# Altium PCB pcb.PcbDoc
Units mil, origin at the board's own origin, x right, y up, seen from the top; angles counter-clockwise.
Board outline 10079.12 x 10365.92 mil, 2 copper layers (Top Layer, Bottom Layer), stack 62.205 mil thick; 131 components, 60 nets, 394 pads, 59 vias.
Unrouted connection lines stored in the file: 8.
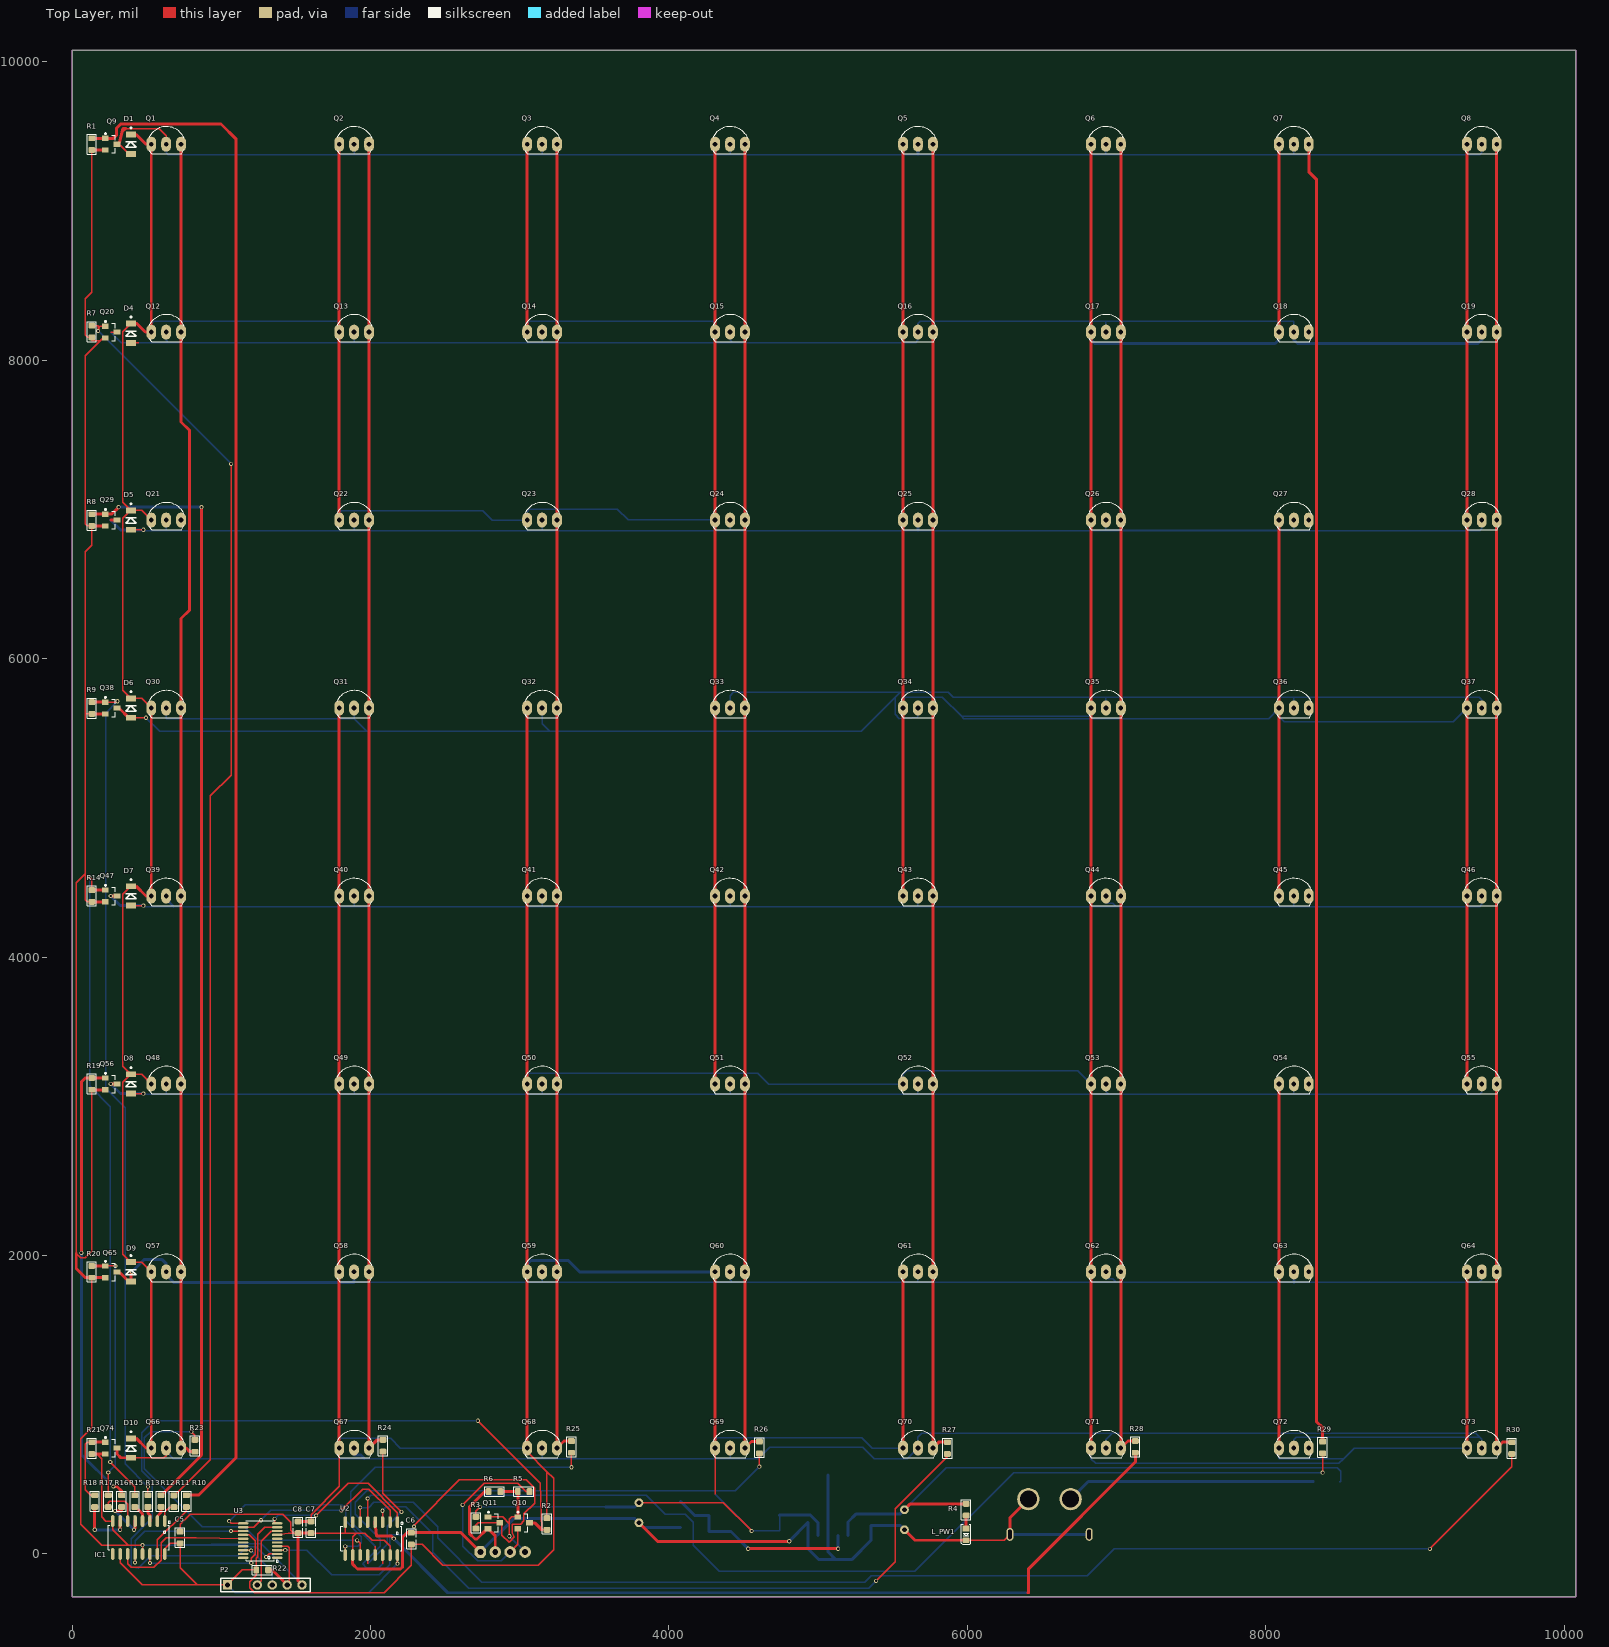
[diagram p0: Top Layer view]
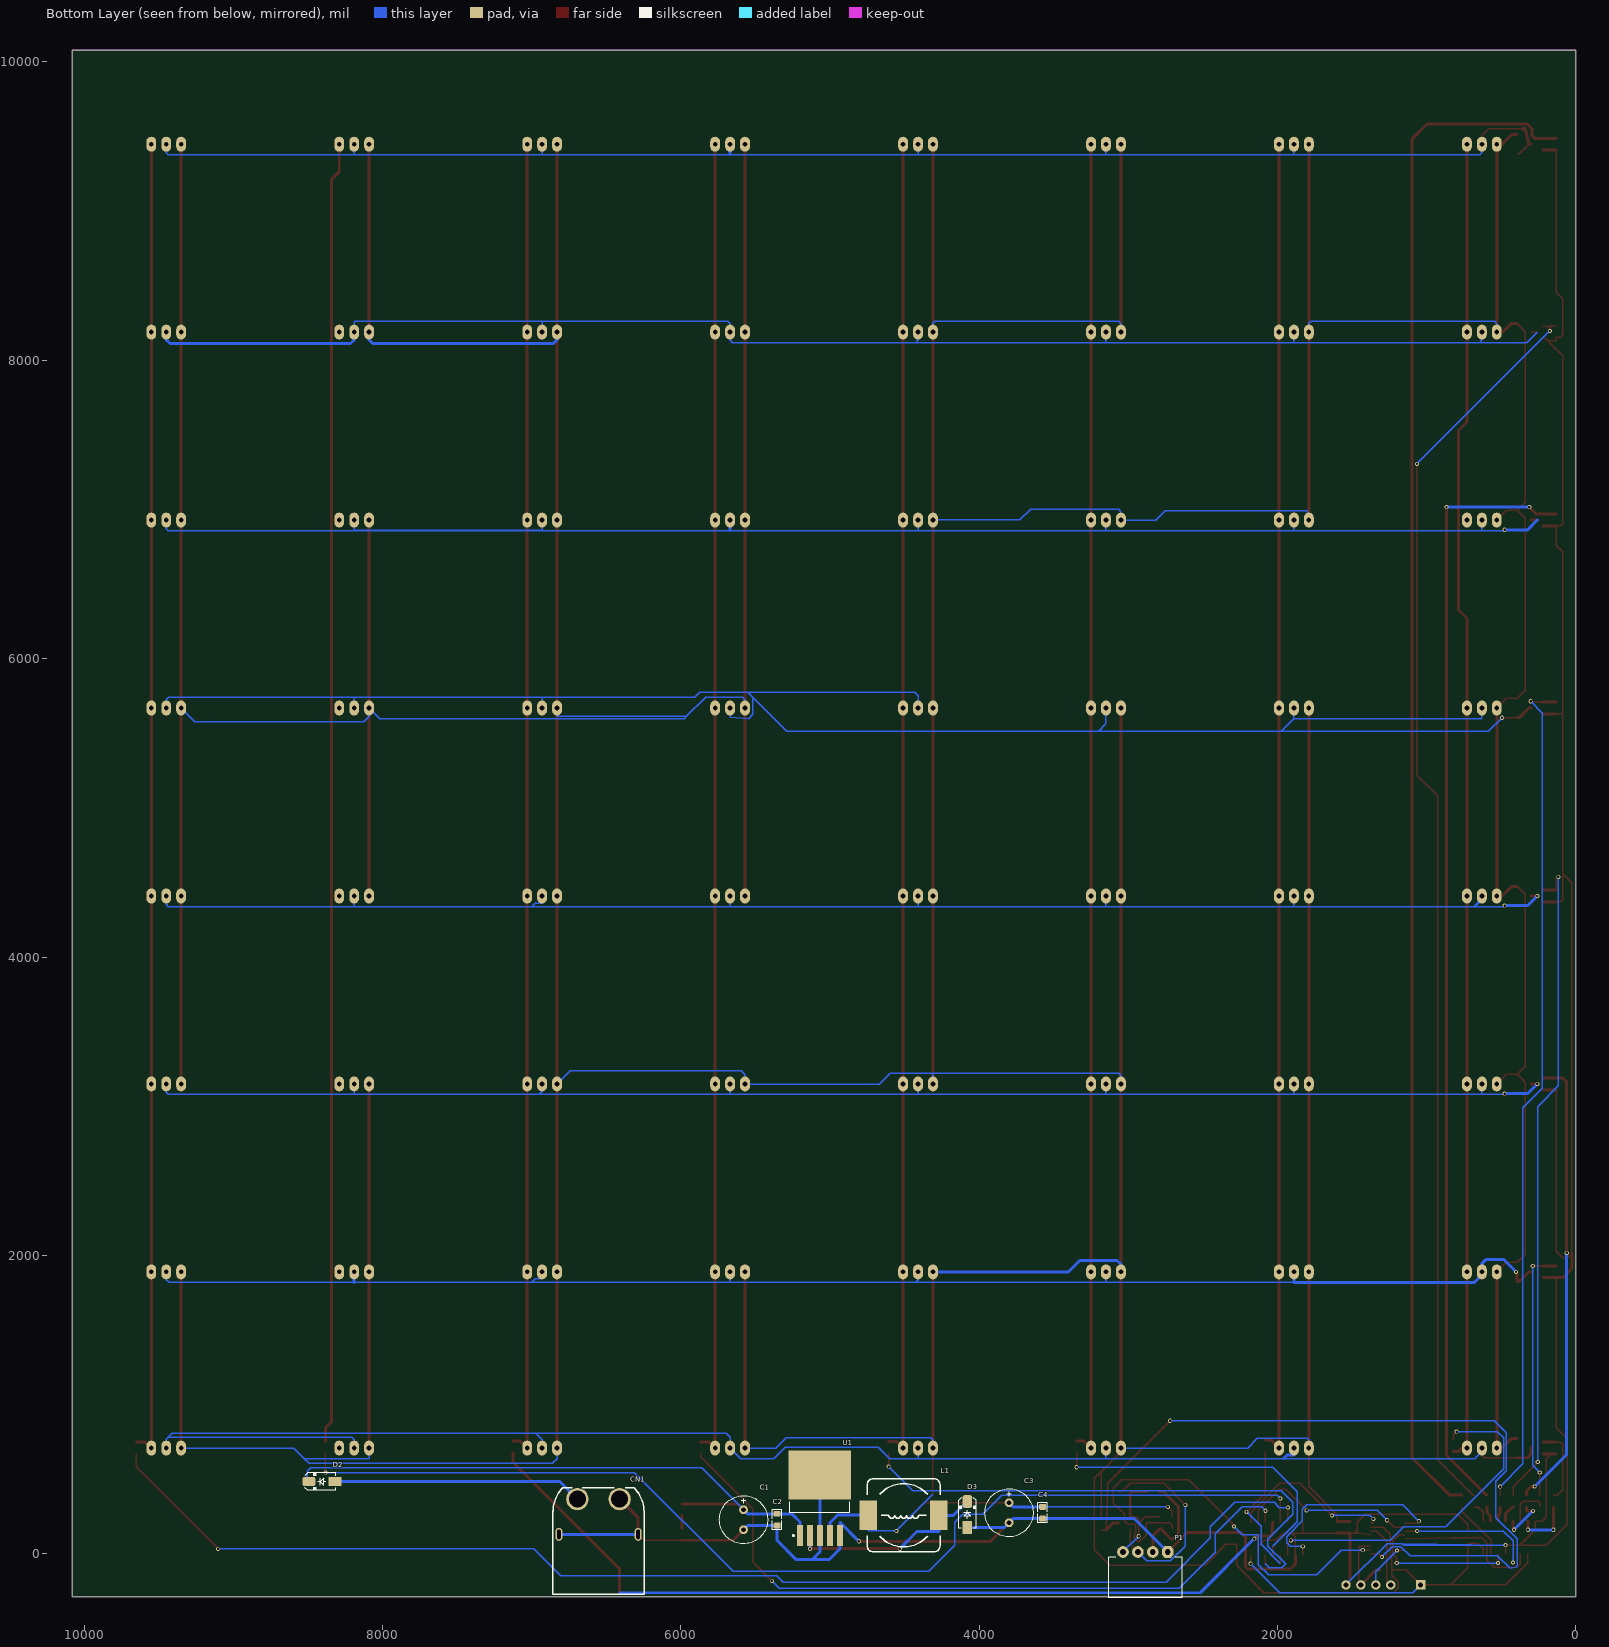
[diagram p1: Bottom Layer view, seen from below]
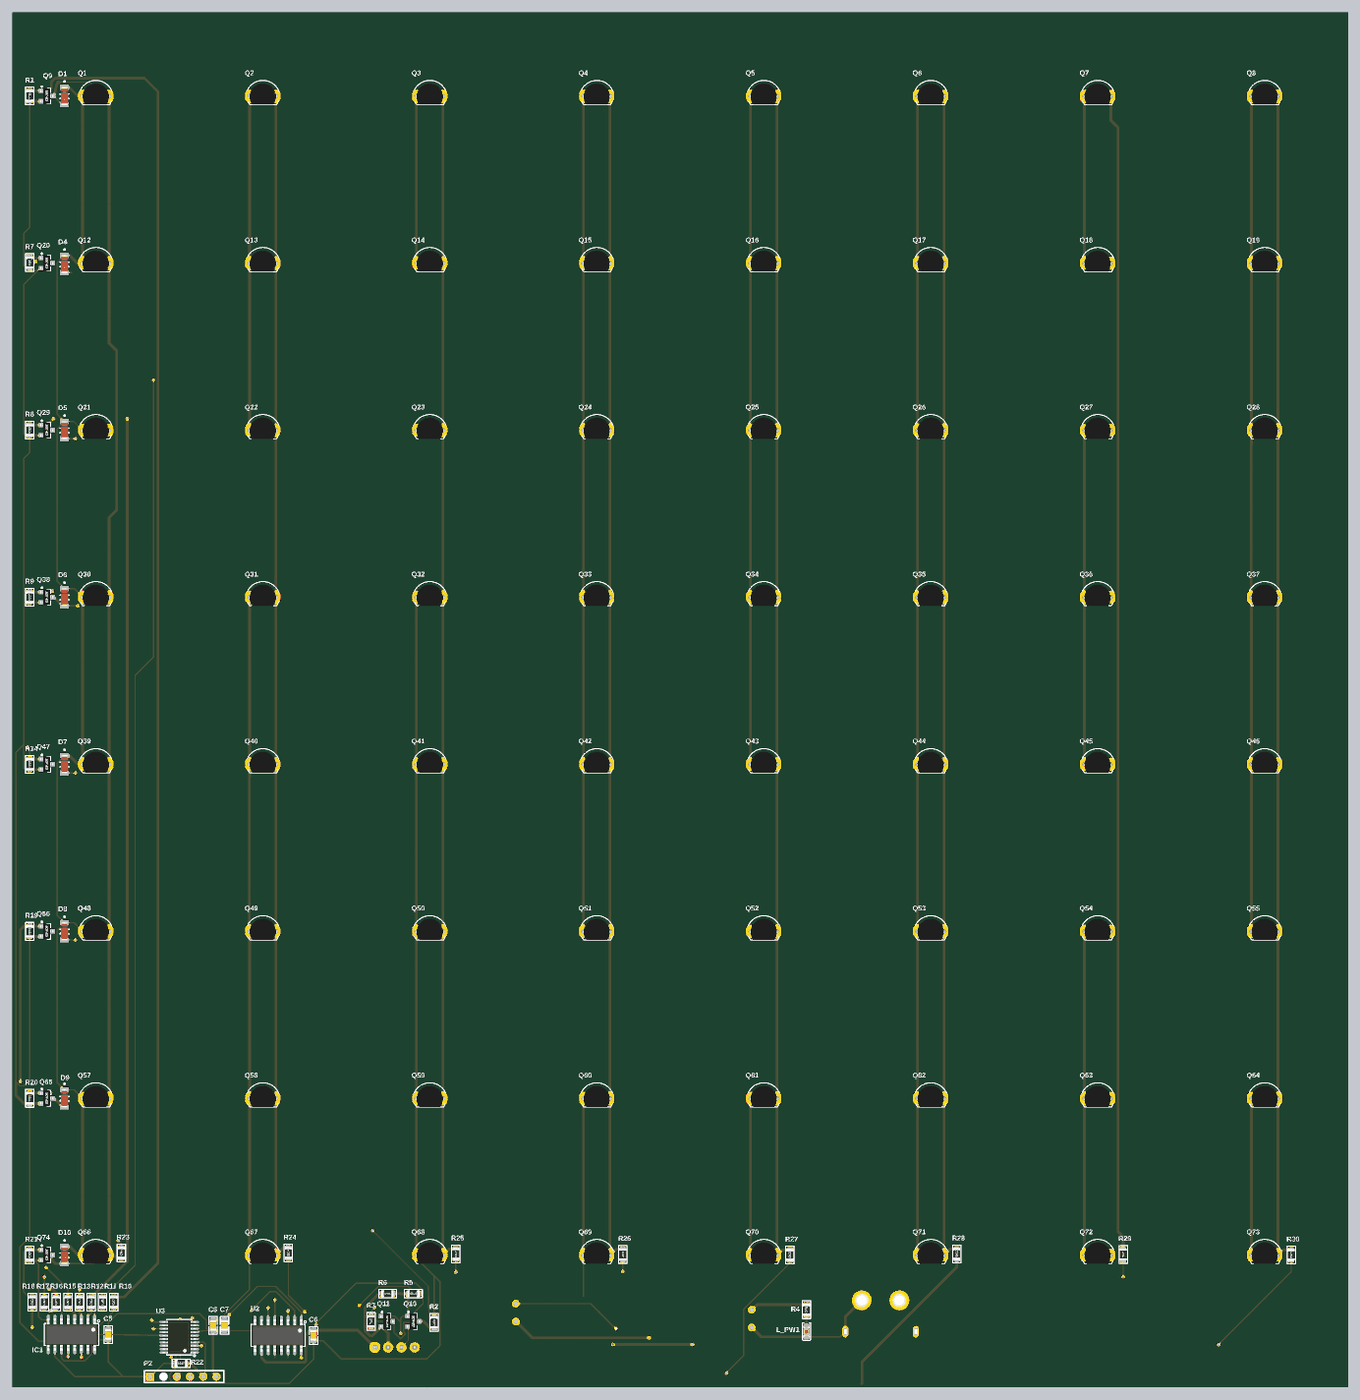
[diagram p2: 3D render of the assembled board from above, using the file's embedded part models]
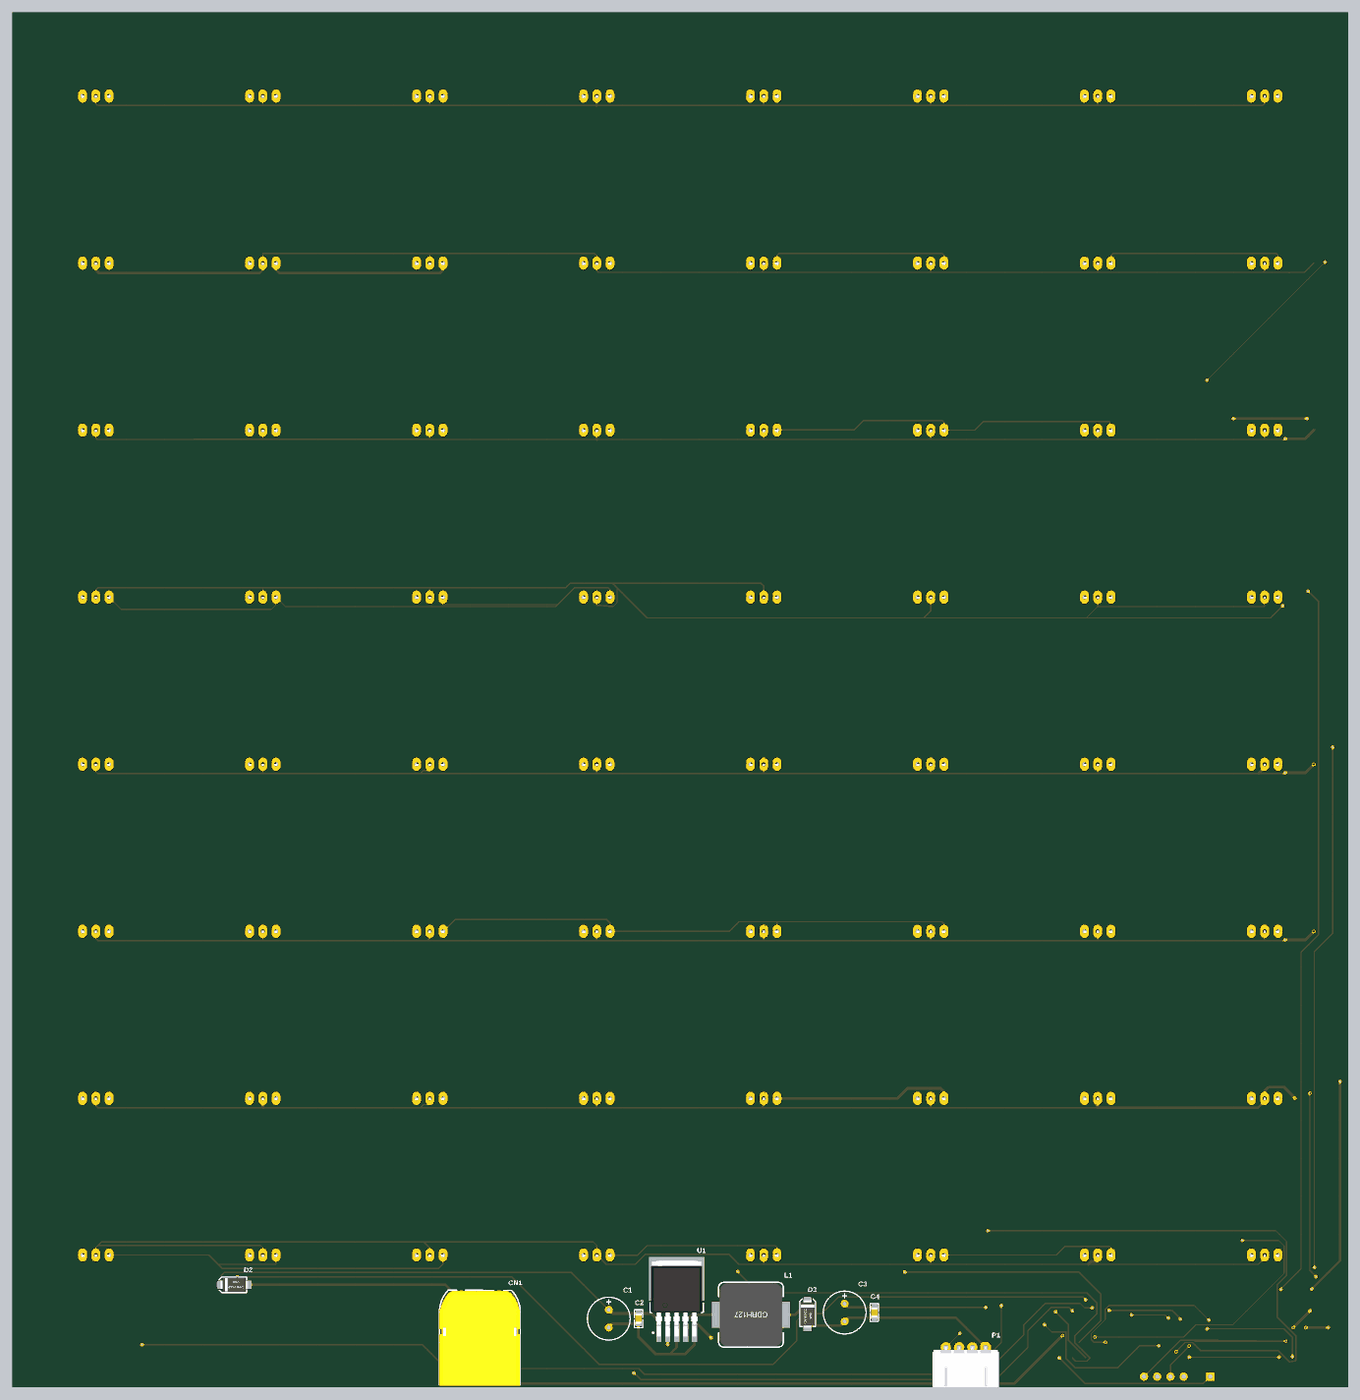
[diagram p3: 3D render of the assembled board from below, using the file's embedded part models]

## Layer stack, top to bottom
Top Solder: solder mask 0.3937, Solder Resist, Dk 3.5
Top Layer: signal copper 1.378
Dielectric 1: dielectric 59.4488, FR-4, Dk 4.8
Bottom Layer: signal copper 1.378
Bottom Solder: solder mask 0.3937, Solder Resist, Dk 3.5

## Board outline
0,-287.18 0,10078.74 10079.11,10078.74 10079.12,-287.18

## Design rules (kind name [scope] priority, off if disabled: settings)
Clearance [All] p1: gap=8 ignorepadtopadclearanceinfootprint=TRUE
Height [All] p1: minheight=0 maxheight=1574.8 prefheight=500
HoleSize [All] p1: absolutevalues=TRUE maxlimit=236.22 minlimit=3.94 maxpercent=80.000 minpercent=20.000
MinimumSolderMaskSliver [All] p1: minsoldermaskwidth=1
PlaneConnect [All] p1: planeconnectstyle=Relief reliefexpansion=20 reliefentries=4 reliefconductorwidth=35 reliefairgap=10
PolygonConnect [All] p1: thpad.connectstyle=Relief thpad.reliefconductorwidth=25 thpad.reliefentries=4 thpad.polygonreliefangle="90 Angle" thpad.airgapwidth=30 smdpad.connectstyle=Relief smdpad.reliefconductorwidth=25 smdpad.reliefentries=4 smdpad.polygonreliefangle="90 Angle" smdpad.airgapwidth=15 via.connectstyle=Relief via.reliefconductorwidth=25 via.reliefentries=4 via.polygonreliefangle="90 Angle" via.airgapwidth=15
RoutingVias [All] p1: holewidth=15.75 width=27.56 viastyle="Through Hole" minholewidth=11.81 minwidth=23.62 maxholewidth=39.37 maxwidth=98.43
SilkToSilkClearance [All] p1: silktosilkclearance=1
SilkToSolderMaskClearance [IsPad] p1: minsilkscreentomaskgap=0 clearancetoexposedcopper=TRUE
SolderMaskExpansion [All] p1: expansion=4 istentingtop=FALSE
SupplyNets "Schematic Supply Nets_4" [InNet('+5')] p1: voltage=0.000
SupplyNets "Schematic Supply Nets_3" [InNet('GND')] p2: voltage=0.000
SupplyNets "Schematic Supply Nets_2" [InNet('+24')] p3: voltage=0.000
SupplyNets "Schematic Supply Nets_1" [InNet('+3V3')] p4: voltage=0.000
SupplyNets "Schematic Supply Nets" [InNet('+24IN')] p5: voltage=0.000
UnRoutedNet [All] p1: checkbadconnections=TRUE
Width [All] p1: maxlimit=100 minlimit=10 preferedwidth=10
23 further rules are at their usual default settings.

## Components (designator, comment, footprint, x,y, rotation, side; value= is the part's Value field where it differs from the comment)
C1 "470uF/35V" C8X12mm 5578.82,228.56 r270 bottom
C2 "104" C_0805_SMD 5354.33,228.57 r90 bottom
C3 "220uF/35V" C8X12mm 3799.21,274.76 r270 bottom
C4 "104" C_0805_SMD 3574.8,274.76 r90 bottom
C5 "104" C_0805_SMD 723.75,109.07 r270 top
C6 "104" C_0805_SMD 2273.09,101.88 r270 top
C7 "10uF/25V" C_0805_SMD 1601.18,177.63 r270 top
C8 "104" C_0805_SMD 1514.57,177.63 r270 top
CN1 "XT60PW-M" CONN-TH_XT60PW-M 6551.18,86.83 r90 bottom
D1 "LL4148" SOD80C_MFG 394.13,9448.82 r270 top
D2 "SS34" D_SMA 8405.51,484.25 r0 bottom
D3 "SS34" D_SMA 4078.74,264 r90 bottom
D4 "LL4148" SOD80C_MFG 394.13,8181.1 r270 top
D5 "LL4148" SOD80C_MFG 394.13,6929.13 r270 top
D6 "LL4148" SOD80C_MFG 394.13,5669.29 r270 top
D7 "LL4148" SOD80C_MFG 394.13,4409.45 r270 top
D8 "LL4148" SOD80C_MFG 394.13,3149.61 r270 top
D9 "LL4148" SOD80C_MFG 394.13,1889.76 r270 top
D10 "LL4148" SOD80C_MFG 394.13,708.66 r270 top
IC1 "74HC595" SO_16 446.3,109.07 r270 top
L1 "68uH" CDRH127 4505.8,258.09 r0 bottom
L_PW1 "LED RED" "LED 0805 Red" 5991.81,130.14 r270 top
P1 "XH2.54 4P" XH2.54_4P_RA 2885.83,12.03 r0 bottom
P2 "Nuvoton" "Header Code Nuvoton 2.54 6P" 1290.89,-208.66 r0 top
Q1 "A3144" QTO-92 629.92,9448.82 r0 top locked
Q2 "A3144" QTO-92 1889.76,9448.82 r0 top locked
Q3 "A3144" QTO-92 3149.61,9448.82 r0 top locked
Q4 "A3144" QTO-92 4409.45,9448.82 r0 top locked
Q5 "A3144" QTO-92 5669.29,9448.82 r0 top locked
Q6 "A3144" QTO-92 6929.13,9448.82 r0 top locked
Q7 "A3144" QTO-92 8188.98,9448.82 r0 top locked
Q8 "A3144" QTO-92 9448.82,9448.82 r0 top locked
Q9 "S8050" "SOT23_N NXP" 260.28,9448.82 r0 top
Q10 "BSS138L" "SOT23_N NXP" 3026.27,207.83 r0 top
Q11 "BSS138L" "SOT23_N NXP" 2826.77,207.83 r0 top
Q12 "A3144" QTO-92 629.92,8188.98 r0 top locked
Q13 "A3144" QTO-92 1889.76,8188.98 r0 top locked
Q14 "A3144" QTO-92 3149.61,8188.98 r0 top locked
Q15 "A3144" QTO-92 4409.45,8188.98 r0 top locked
Q16 "A3144" QTO-92 5669.29,8188.98 r0 top locked
Q17 "A3144" QTO-92 6929.13,8188.98 r0 top locked
Q18 "A3144" QTO-92 8188.98,8188.98 r0 top locked
Q19 "A3144" QTO-92 9448.82,8188.98 r0 top locked
Q20 "S8050" "SOT23_N NXP" 260.28,8188.98 r0 top
Q21 "A3144" QTO-92 629.92,6929.13 r0 top locked
Q22 "A3144" QTO-92 1889.76,6929.13 r0 top locked
Q23 "A3144" QTO-92 3149.61,6929.13 r0 top locked
Q24 "A3144" QTO-92 4409.45,6929.13 r0 top locked
Q25 "A3144" QTO-92 5669.29,6929.13 r0 top locked
Q26 "A3144" QTO-92 6929.13,6929.13 r0 top locked
Q27 "A3144" QTO-92 8188.98,6929.13 r0 top locked
Q28 "A3144" QTO-92 9448.82,6929.13 r0 top locked
Q29 "S8050" "SOT23_N NXP" 260.28,6929.13 r0 top
Q30 "A3144" QTO-92 629.92,5669.29 r0 top locked
Q31 "A3144" QTO-92 1889.76,5669.29 r0 top locked
Q32 "A3144" QTO-92 3149.61,5669.29 r0 top locked
Q33 "A3144" QTO-92 4409.45,5669.29 r0 top locked
Q34 "A3144" QTO-92 5669.29,5669.29 r0 top locked
Q35 "A3144" QTO-92 6929.13,5669.29 r0 top locked
Q36 "A3144" QTO-92 8188.98,5669.29 r0 top locked
Q37 "A3144" QTO-92 9448.82,5669.29 r0 top locked
Q38 "S8050" "SOT23_N NXP" 260.28,5669.29 r0 top
Q39 "A3144" QTO-92 629.92,4409.45 r0 top locked
Q40 "A3144" QTO-92 1889.76,4409.45 r0 top locked
Q41 "A3144" QTO-92 3149.61,4409.45 r0 top locked
Q42 "A3144" QTO-92 4409.45,4409.45 r0 top locked
Q43 "A3144" QTO-92 5669.29,4409.45 r0 top locked
Q44 "A3144" QTO-92 6929.13,4409.45 r0 top locked
Q45 "A3144" QTO-92 8188.98,4409.45 r0 top locked
Q46 "A3144" QTO-92 9448.82,4409.45 r0 top locked
Q47 "S8050" "SOT23_N NXP" 260.28,4409.45 r0 top
Q48 "A3144" QTO-92 629.92,3149.61 r0 top locked
Q49 "A3144" QTO-92 1889.76,3149.61 r0 top locked
Q50 "A3144" QTO-92 3149.61,3149.61 r0 top locked
Q51 "A3144" QTO-92 4409.45,3149.61 r0 top locked
Q52 "A3144" QTO-92 5669.29,3149.61 r0 top locked
Q53 "A3144" QTO-92 6929.13,3149.61 r0 top locked
Q54 "A3144" QTO-92 8188.98,3149.61 r0 top locked
Q55 "A3144" QTO-92 9448.82,3149.61 r0 top locked
Q56 "S8050" "SOT23_N NXP" 260.28,3149.61 r0 top
Q57 "A3144" QTO-92 629.92,1889.76 r0 top locked
Q58 "A3144" QTO-92 1889.76,1889.76 r0 top locked
Q59 "A3144" QTO-92 3149.61,1889.76 r0 top locked
Q60 "A3144" QTO-92 4409.45,1889.76 r0 top locked
Q61 "A3144" QTO-92 5669.29,1889.76 r0 top locked
Q62 "A3144" QTO-92 6929.13,1889.76 r0 top locked
Q63 "A3144" QTO-92 8188.98,1889.76 r0 top locked
Q64 "A3144" QTO-92 9448.82,1889.76 r0 top locked
Q65 "S8050" "SOT23_N NXP" 260.28,1889.76 r0 top
Q66 "A3144" QTO-92 629.92,708.66 r0 top locked
Q67 "A3144" QTO-92 1889.76,708.66 r0 top locked
Q68 "A3144" QTO-92 3149.61,708.66 r0 top locked
Q69 "A3144" QTO-92 4409.45,708.66 r0 top locked
Q70 "A3144" QTO-92 5669.29,708.66 r0 top locked
Q71 "A3144" QTO-92 6929.13,708.66 r0 top locked
Q72 "A3144" QTO-92 8188.98,708.66 r0 top locked
Q73 "A3144" QTO-92 9448.82,708.66 r0 top locked
Q74 "S8050" "SOT23_N NXP" 260.28,708.66 r0 top
R1 "1k" RES-SMD-0805 131.38,9448.82 r270 top
R2 "10K" RES-SMD-0805 3182.61,199.82 r90 top
R3 "10K" RES-SMD-0805 2706.3,207.83 r90 top
R4 "10K" RES-SMD-0805 5992.13,295.49 r270 top
R5 "10K" RES-SMD-0805 3026.27,416.49 r180 top
R6 "10K" RES-SMD-0805 2830.71,416.8 r0 top
R7 "1k" RES-SMD-0805 131.38,8192.91 r270 top
R8 "1k" RES-SMD-0805 131.38,6929.13 r270 top
R9 "1k" RES-SMD-0805 131.38,5669.29 r270 top
R10 "1k" RES-SMD-0805 765.2,353.16 r270 top
R11 "1k" RES-SMD-0805 681.34,352.11 r270 top
R12 "1k" RES-SMD-0805 595.91,353.16 r270 top
R13 "1k" RES-SMD-0805 507.72,353.16 r270 top
R14 "1k" RES-SMD-0805 131.38,4409.45 r270 top
R15 "1k" RES-SMD-0805 419.53,353.16 r270 top
R16 "1k" RES-SMD-0805 331.34,353.16 r270 top
R17 "1k" RES-SMD-0805 241.57,353.16 r270 top
R18 "1k" RES-SMD-0805 151.02,353.16 r270 top
R19 "1k" RES-SMD-0805 131.38,3149.61 r270 top
R20 "1k" RES-SMD-0805 131.38,1889.76 r270 top
R21 "1k" RES-SMD-0805 131.38,708.66 r270 top
R22 "10K" RES-SMD-0805 1273.49,-108.45 r0 top
R23 "1k" RES-SMD-0805 822.83,723.66 r270 top
R24 "1k" RES-SMD-0805 2082.68,724.41 r90 top
R25 "1k" RES-SMD-0805 3346.46,716.54 r90 top
R26 "1k" RES-SMD-0805 4606.3,712.5 r90 top
R27 "1k" RES-SMD-0805 5866.14,708.66 r90 top
R28 "1k" RES-SMD-0805 7125.98,716.54 r90 top
R29 "1k" RES-SMD-0805 8381.89,712.6 r90 top
R30 "1k" RES-SMD-0805 9649.61,708.66 r90 top
U1 "LM2596HVS-5.0" TO-263-5 5066.93,325.02 r180 bottom
U2 "74HC165" SO_16 2005.44,101.88 r270 top
U3 "MS51FB9AE" SOG65_20 1259.84,88.4 r180 top

## Footprints (in the part's own frame and the unit in brackets; to place one, negate y for a bottom-side part, rotate by r counter-clockwise, add the part's x,y. Pads: shape width x height; smd on the part's side, far side on the other; paste and mask are expansions set on the pad)
C8X12mm [mm] "Cap Elec, D8.0X12.0H pitch: 3.5mm, RB.14/.26, RB.15/.32"
  round 1.5 hole 0.8: 1(-1.7,0) 2(1.7,0)
  silkscreen extent -4.1,-4.1 4.1,4.1, body extent -3.99,-3.99 4,3.99, height 12.3
C_0805_SMD [mm]
  rrect50% 1x1.2 smd: 1(-1,0) 2(1,0)
  Top Layer pour cut-out: -0.5,0.8 0.5,0.8 0.5,-0.8 -0.5,-0.8
  silkscreen extent -1.7,-0.8 1.7,0.8, body extent -1,-0.63 1,0.62, height 1
CDRH127 [mm] "12*12*8mm"
  rect 3x5 smd: 1(-6,0) 2(6,0)
  silkscreen extent -6.2,-6.2 6.2,6.2, body extent -6,-6 6,6, height 7.8
CONN-TH_XT60PW-M [mm]
  round 3.8 hole 2.9 paste-2539.97 mask+0.05: 1(7.1,-3.6) 2(7.1,3.6)
  oval 2.2x1.2 hole 0.6 slot 1.6 at 0 deg paste-2539.97 mask+0.05: 3(1.1,6.75) 4(1.1,-6.75)
  silkscreen extent -9.07,-7.75 9.07,7.75, body extent -9.25,-7.75 8.95,7.75, height 8.4